# Allegro board ADRV9371-N_PCBZ_Layout_RevB.brd (continued)
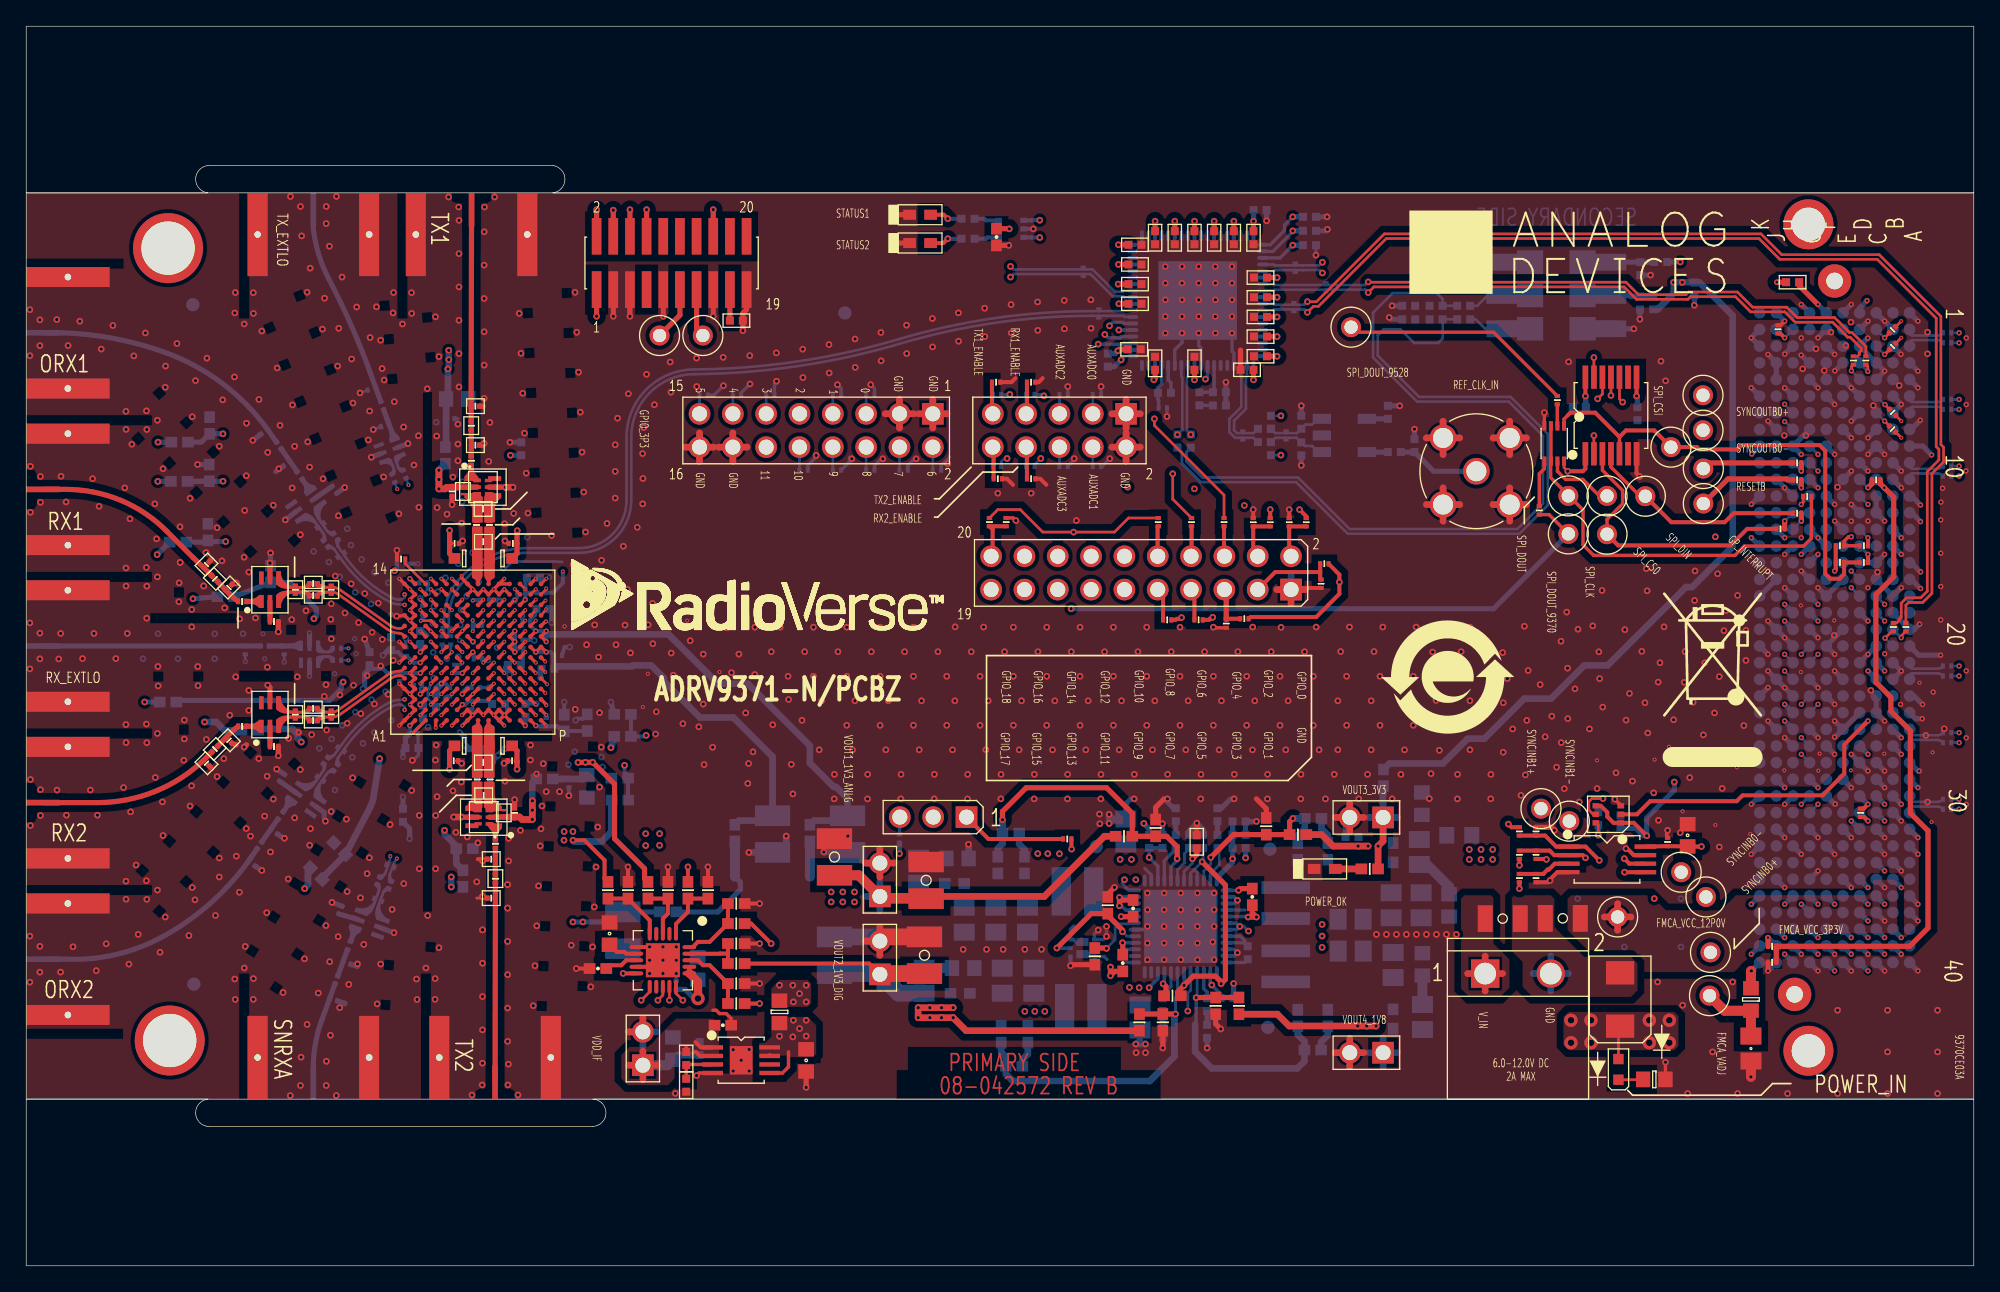
[diagram p0: board, top side]
## Routing (per net, layer and track width the routed paths; a pad name or vN(x,y) marks a point on that pad's centre or on a via; arc(x,y) is an arc through that point) (continued)
SNRXA-: length 16.3
  TOP w0.254: U101.D4 v6(30.84,43.58)
  L10_SIG w0.091: v6(30.84,43.58) 31.12,43.58 arc(31.24,43.53) 31.28,43.42 arc(31.29,43.36) 31.33,43.31 31.38,43.26 arc(31.42,43.16) 31.38,43.07 31.28,42.97 arc(31.22,42.88) 31.2,42.78 arc(31.21,42.74) 31.23,42.71 31.42,42.51 arc(31.46,42.46) 31.47,42.4 arc(31.46,42.31) 31.41,42.24 31.25,42.08 arc(31.21,42.03) 31.2,41.96 arc(31.16,41.78) 31.06,41.62 arc(30.92,41.53) 30.76,41.5 30.6,41.5 arc(30.13,41.3) 29.93,40.83 29.93,36.18 arc(29.84,35.73) 29.59,35.35 29.53,35.29 arc(29.14,34.81) 28.87,34.25 arc(28.41,32.9) 28,31.53 arc(27.91,31.35) v5(27.75,31.22)
  BOTTOM w0.203: R223.2 27.19,29.74 arc(27.3,29.82) 27.37,29.94 ; C224.2 L224.2 27.71,30.93 arc(27.74,31.07) v5(27.75,31.22)
SPI_CLK: length 112.3
  TOP w0.254: U405.3 120.14,60.64 121.68,59.1 121.68,58.09 120.48,56.9 TP802.1 ; U101.K9 v6(36.44,48.38)
  TOP w0.305: TP802.1 121.34,54.91 129.9,54.91 131.17,56.17 R804.1
  L7_SIG w0.114: v8(92.85,57.96) 93.1,58.21 100.72,58.21 104.66,54.28 119,54.28 TP802.1
  L8_SIG w0.114: v6(36.44,48.38) 36.69,48.38 37.08,47.99 41.22,47.99 41.41,48.18 46,48.18 47.19,49.37 49.84,49.37 50.68,50.21 65.67,50.21 73.42,57.96 v8(92.85,57.96)
SPI_CLK_9528: length 44.4
  TOP w0.203: v1(119.77,66.09) 120.14,66.45 U405.12
  L7_SIG w0.114: v1(119.77,66.09) 119.35,66.51 119.35,66.51 119.05,66.81 119.05,66.81 119.01,66.85 118.75,66.85 116.28,69.33 96.08,69.33 93.74,71.67 84.47,71.67 83.56,70.76 82.44,70.76 v1(82.21,70.99)
  BOTTOM w0.254: U401.22 83.47,70.83 83.38,70.74 82.46,70.74 v1(82.21,70.99)
SPI_CS0: length 120.1
  TOP w0.254: U403.7 116.71,60.56 117.33,59.94 118.65,59.94 119.9,58.69 TP813.1 ; v2(139.1,55.57) 138.89,55.57 138.55,55.23 R808.2 R811.1 ; U101.K10 v6(36.44,49.18)
  L7_SIG w0.114: TP813.1 119.34,57.54 116.88,57.54 115.13,55.8 105.67,55.8 101.86,59.61 89.42,59.61 v8(89.04,59.23)
  L8_SIG w0.114: v6(36.44,49.18) 36.84,49.58 40.01,49.58 40.52,50.08 43.11,50.08 43.27,49.93 43.61,49.93 43.9,50.21 45.2,50.21 46.85,51.86 63.89,51.86 72.27,60.24 85.35,60.24 86.37,59.23 v8(89.04,59.23)
  L8_SIG w0.254: TP813.1 122.99,56.18 138.49,56.18 v2(139.1,55.57)
SPI_CS1: length 37
  TOP w0.254: U403.1 117.21,64.54 117.48,64.82 ; 121.44,63.18 U405.5
  TOP w0.305: R812.1 R809.2 138.55,52.71 138.21,52.37 137.5,52.37 137.12,52.75 137.12,62.12 136.69,62.56 130.74,62.56 130.41,62.23 127.52,62.23 127.34,62.4 TP814.1 124.09,63.67 121.93,63.67 121.44,63.18 119.58,65.03 117.7,65.03 117.48,64.82
SPI_CS_9528: length 47
  TOP w0.203: U405.10 121.44,66.07 v1(121.68,65.83)
  L7_SIG w0.114: v1(121.68,65.83) 121.04,65.2 118.75,65.2 115.77,68.18 95.2,68.18 93.12,70.25 v1(81.7,70.25)
  BOTTOM w0.254: v1(81.7,70.25) 83.62,70.25 83.69,70.33 83.78,70.33 U401.21
SPI_DIN: length 114.3
  TOP w0.254: TP801.1 123,58.66 120.79,60.88 U405.4 ; U101.J9 v6(35.64,48.38)
  TOP w0.305: TP801.1 125.39,56.68 129.45,56.68 130.14,57.37 R805.1
  L7_SIG w0.114: v1(83.96,59.36) 84.03,59.36 85.56,60.88 87.17,60.88 87.17,60.89 87.6,60.89 87.6,60.88 96.59,60.88 96.97,60.5 102.24,60.5 106.18,56.56 113.93,56.56 117.4,60.03 122.03,60.03 TP801.1
  L8_SIG w0.114: v1(83.96,59.36) 83.91,59.4 72.96,59.4 64.65,51.1 47,51.1 45.27,49.37 40.95,49.37 40.34,48.76 36.03,48.76 v6(35.64,48.38)
SPI_DIN_9528: length 43.6
  TOP w0.203: U405.11 v1(120.79,66.34)
  L7_SIG w0.114: v1(120.79,66.34) 120.79,66.47 116.85,70.4 96.53,70.4 93.86,73.07 85.02,73.07 v1(83.28,71.33)
  BOTTOM w0.254: U401.23 83.68,71.33 v1(83.28,71.33)
SPI_DOUT: length 31.6
  TOP w0.203: 116.2,61.33 U403.6 ; TP809.1 117.59,58.69
  TOP w0.254: U403.3 116.21,61.35 116.19,61.32 116.19,60.09 118.66,57.62 118.66,54.96 119.47,54.15 130.23,54.15 130.95,54.86 135.47,54.86 136.06,55.45 136.06,55.71 136.06,55.72 R806.1
SPI_DOUT_9370: length 91.9
  TOP w0.254: R427.2 116.07,57.26 TP402.1 ; U101.J10 v6(35.64,49.18)
  L7_SIG w0.097: 39.89,46.39 39.49,46.39
  L7_SIG w0.114: v1(79.64,50.08) 79.64,49.81 77.63,47.8 77.1,47.8 75.41,46.11 48.61,46.11 48.52,46.19 45.18,46.19 44.45,46.92 43.41,46.92 42.88,46.39 39.89,46.39 ; 39.49,46.39 37.95,46.39 37.7,46.64 37.7,47.06 37.58,47.19 37.08,47.19 36.85,47.42 36.85,47.74 36.55,48.04 36.3,48.04 36.1,48.24 36.1,48.66 35.64,49.13 v6(35.64,49.18)
  BOTTOM w0.394: v1(79.64,50.08) 111.83,50.08 TP402.1
SPI_DOUT_9528: length 40.5
  TOP w0.254: TP401.1 101.36,71.17 111.83,71.17 R426.2
  L7_SIG w0.114: v1(82.56,71.65) 85.25,74.34 94.12,74.34 96.91,71.55 TP401.1
  BOTTOM w0.254: v1(82.56,71.65) 82.83,71.91 83.59,71.91 83.67,71.83 83.81,71.83 U401.24
STATUS_0: length 25.1
  L5_SIG w0.114: v1(96.53,79.96) 96.19,80.3 77.85,80.3 v1(77.25,79.7)
  BOTTOM w0.254: U401.55 94.81,77.83 95.9,78.92 95.9,79.32 v1(96.53,79.96) ; R418.1 97.17,79.96
  BOTTOM w0.305: U402.1 76.63,79.69 76.64,79.7 v1(77.25,79.7)
  BOTTOM w0.394: 97.17,79.96 v1(96.53,79.96)
STATUS_1: length 24.5
  L5_SIG w0.114: v1(96.53,78.89) 77.76,78.89 v1(77.25,78.38)
  BOTTOM w0.203: R419.1 97.17,78.89
  BOTTOM w0.254: U401.56 95.03,77.33 96.53,78.83 v1(96.53,78.89)
  BOTTOM w0.305: U402.3 76.63,78.39 76.64,78.38 v1(77.25,78.38)
  BOTTOM w0.394: 97.17,78.89 v1(96.53,78.89)
SYNCINB0+: length 150.5
  TOP w0.254: U101.M4 v6(38.04,43.58)
  L7_SIG w0.091: v6(38.04,43.58) 38.04,43.25 37.71,42.91 37.71,41.85 37.93,41.62 39.84,41.62 40.77,40.68 44.84,40.68 48.14,37.38 59.68,37.38 60.57,38.27 105.19,38.27 110.14,33.32 111.79,33.32 113.19,31.92 116.24,31.92 119.66,28.49 126.63,28.49 127.14,29 ; TP807.1 127.14,29 ; 127.14,29 127.77,29.64 132.45,29.64 136.77,33.96 137.78,33.96 139.91,36.09 139.91,39.2 141.36,40.65 141.97,40.65 143.75,42.43 143.75,60.77 143.14,61.39 137.02,61.39 v2(136.56,61.85)
  BOTTOM w0.203: P801.G9 v2(136.56,61.85)
SYNCINB0-: length 150.5
  TOP w0.254: U101.M3 v6(38.04,42.78)
  L7_SIG w0.091: v2(136.56,60.58) 136.56,60.58 136.44,60.45 135.9,60.45 135.77,60.58 135.77,61.26 135.9,61.39 136.66,61.39 136.92,61.14 143.03,61.14 143.5,60.67 143.5,42.54 141.87,40.91 141.26,40.91 139.66,39.31 139.66,36.19 137.68,34.21 136.66,34.21 132.34,29.89 127.67,29.89 127.02,29.24 ; 127.02,29.24 126.89,29.24 126.14,29.99 TP808.1 ; 127.02,29.24 126.96,29.18 126.96,29.18 126.52,28.75 119.77,28.75 116.34,32.18 113.29,32.18 111.9,33.57 110.25,33.57 105.29,38.53 60.46,38.53 59.57,37.64 48.25,37.64 44.95,40.94 40.87,40.94 40.09,41.72 40.09,42.16 39.93,42.32 38.14,42.32 38.04,42.42 v6(38.04,42.78)
  BOTTOM w0.203: P801.G10 v2(136.56,60.58)
SYNCINB1+: length 108.7
  TOP w0.254: U101.L4 v6(37.24,43.58)
  L7_SIG w0.091: v6(37.24,43.58) 37.33,43.66 37.33,43.78 37.66,44.12 37.66,44.46 37.9,44.7 38.17,44.7 38.36,44.51 38.36,44.24 38.62,43.98 39.77,43.98 40.01,43.73 44.05,43.73 46.08,41.7 48.4,41.7 49.54,40.56 105.28,40.56 108.88,36.96 109.02,36.96 111.01,34.97 113.4,34.97 114.54,33.83 115.71,33.83 116.02,34.14 ; v2(135.29,40.26) 134.79,39.75 126.42,39.75 125.79,39.12 125.02,39.12 124.82,39.32 121.19,39.32 116.02,34.14 ; TP810.1 116.02,34.28 116.02,34.14
  BOTTOM w0.203: P801.G27 v2(135.29,40.26)
SYNCINB1-: length 108.8
  TOP w0.254: U101.L3 v6(37.24,42.78)
  L7_SIG w0.091: v2(135.29,38.99) 134.79,39.5 126.53,39.5 125.9,38.86 124.91,38.86 124.71,39.06 121.3,39.06 116.84,34.6 ; 116.84,34.6 115.81,33.57 114.44,33.57 113.29,34.72 110.9,34.72 108.92,36.7 108.78,36.7 105.18,40.31 49.43,40.31 48.29,41.45 45.98,41.45 43.95,43.48 40.01,43.48 39.76,43.23 38.73,43.23 38.51,43.44 38.51,43.56 38.17,43.9 37.8,43.9 37.58,43.68 37.58,43.46 37.56,43.44 37.56,43.44 37.24,43.12 v6(37.24,42.78) ; 116.84,34.6 117.55,33.89 TP811.1
  BOTTOM w0.203: P801.G28 v2(135.29,38.99)
SYNCOUTB0+: length 115.2
  TOP w0.203: U101.M13 v6(37.24,51.58)
  L8_SIG w0.091: TP805.1 127.9,66.26 127.9,65.2 ; v6(37.24,51.58) 37.38,51.58 37.54,51.74 37.54,52.05 37.78,52.29 38.42,52.29 38.72,51.99 39.88,51.99 40.19,51.68 44.15,51.68 45.86,53.39 51.57,53.39 58.56,60.37 70.39,60.37 71.64,61.62 71.64,66.21 76.08,70.66 76.08,71.42 77.23,72.56 84.34,72.56 86.75,70.15 120.53,70.15 125.49,65.2 127.9,65.2 ; 127.9,65.2 133.55,65.2 v2(134.02,65.67)
  BOTTOM w0.203: v2(134.02,65.67) 134.02,65.66 P801.H7
SYNCOUTB0-: length 115.3
  TOP w0.203: U101.M14 v6(38.04,51.58)
  L8_SIG w0.091: 127.9,64.94 125.38,64.94 120.43,69.9 86.64,69.9 84.23,72.31 77.33,72.31 76.34,71.32 76.34,70.55 71.89,66.11 71.89,61.51 70.49,60.12 58.66,60.12 51.68,53.13 45.96,53.13 44.26,51.43 40.14,51.43 39.94,51.23 38.67,51.23 38.46,51.43 38.46,51.88 38.32,52.03 37.89,52.03 37.8,51.94 37.8,51.74 37.96,51.58 v6(38.04,51.58) ; 127.9,64.94 127.9,63.79 TP806.1 ; 127.9,64.94 133.43,64.94 v2(134.02,64.35)
  BOTTOM w0.203: P801.H8 134.06,64.35 v2(134.02,64.35)
SYSREF_IN+: length 78.5
  TOP w0.254: U101.K3 v6(36.44,42.78)
  L7_SIG w0.091: v1(75.02,75.37) 75.3,75.65 75.56,75.65 75.83,75.38 75.83,74.7 75.47,74.34 73.33,74.34 72.29,73.31 72.29,73.09 70.11,70.91 66.02,70.91 64.62,69.52 59.59,69.52 58.32,68.25 48.9,68.25 46.75,66.09 46.75,65.57 43.19,62.02 43.19,58.7 41.05,56.56 39.87,56.56 37.58,54.28 35.7,54.28 32.65,51.23 32.65,50.47 32.91,50.2 32.91,49.84 33.1,49.65 33.34,49.65 33.71,49.28 33.71,49.07 33.9,48.88 34.23,48.88 34.51,48.6 34.51,45.74 34.68,45.57 34.68,43.95 35.38,43.25 35.96,43.25 v6(36.44,42.78)
  BOTTOM w0.203: R424.2 80.57,75.6 ; 80.57,75.6 75.25,75.6 v1(75.02,75.37) ; 80.57,75.6 81.12,75.6 82.81,73.9 83.61,73.9 83.68,73.83 84.06,73.83 U401.28
SYSREF_IN-: length 78.8
  TOP w0.254: U101.K4 v6(36.44,43.58)
  L7_SIG w0.091: v6(36.44,43.58) 36.44,43.82 36.36,43.9 35.4,43.9 35.25,43.76 35.24,43.76 34.93,44.06 34.93,45.51 35.19,45.77 35.19,48.49 34.97,48.7 34.77,48.7 34.36,49.11 34.36,49.34 34.17,49.53 33.94,49.53 33.56,49.91 33.56,50.11 33.37,50.3 33.17,50.3 32.9,50.57 32.9,51.12 35.8,54.02 37.69,54.02 39.98,56.31 41.16,56.31 43.44,58.59 43.44,61.91 47,65.47 47,65.98 49.01,67.99 58.43,67.99 59.7,69.26 64.73,69.26 66.12,70.66 70.22,70.66 72.55,72.99 72.55,73.2 73.43,74.09 75.57,74.09 76.08,74.6 76.08,75.48 75.67,75.9 75.3,75.9 v1(75.02,76.18)
  BOTTOM w0.203: v1(75.02,76.18) 75.25,75.95 80.57,75.95 ; 80.57,75.95 81.27,75.95 82.96,74.26 83.58,74.26 83.66,74.33 84.12,74.33 U401.29 ; 80.57,75.95 R424.1
TEST: length 169
  TOP w0.254: U101.J6 v6(35.64,45.98)
  TOP w0.394: R504.1 R503.2 143.55,24.35 144.95,25.75 144.95,33.16 143.61,34.5 143.61,40.79 142.12,42.27 142.12,43.33 140.98,44.48 140.98,51.16 142.34,52.52 142.34,58.59 v2(141.62,59.31) 141.31,59.61 R810.1
  L7_SIG w0.114: v6(35.64,45.98) 35.97,45.64 37.47,45.64 37.73,45.89 38.44,45.89 38.7,45.64 45.73,45.64 46.87,44.5 51.55,44.5 51.68,44.63 53.22,44.63 53.86,43.99 54.49,43.99 54.5,44 76.11,44 79.44,47.32 79.8,47.32 82.56,50.08 82.56,51.97 83.34,52.75 84.21,52.75 85.13,53.67 85.13,54.55 86.26,55.67 87.64,55.67 89,57.03 100.63,57.03 104.15,53.51 121.76,53.51 127.39,59.15 133.31,59.15 133.67,58.79 141.1,58.79 v2(141.62,59.31)
TRI_STATE: length 5.4
  BOTTOM w0.394: Y401.2 Y402.2 122.22,73.96 122.29,73.9 R409.2 R408.1
TX1_ENABLE: length 58.8
  TOP w0.254: U101.M6 v6(38.04,45.18)
  TOP w0.305: P501.9 73.61,65.01 R507.1
  L5_SIG w0.114: P501.9 72.53,63.8 72.53,59.86 69.51,56.85 44.74,56.85 44.48,57.1 44.06,57.1 43.58,56.63 41.73,56.63 40.56,55.45 40.56,55.45 39.7,54.59 37.54,54.59 36.65,53.7 36.65,52.64 36.77,52.52 36.77,52.2 36.58,52 36.39,52 36.1,51.72 36.1,47.44 36.3,47.24 36.49,47.24 36.77,46.95 36.77,45.96 37.22,45.51 37.7,45.51 v6(38.04,45.18)
  BOTTOM w0.203: 73.67,66.42 P501.9
TX2_ENABLE: length 53
  TOP w0.254: U101.M8 v6(38.04,47.58)
  TOP w0.305: R506.1 73.73,62.34 P501.10
  L5_SIG w0.114: v6(38.04,47.58) 37.79,47.58 37.37,47.99 37.08,47.99 36.84,48.23 36.84,51.65 37.1,51.91 37.11,51.91 37.22,52.03 37.22,52.69 37.14,52.78 37.14,53.59 37.69,54.14 40.13,54.14 41.16,55.16 44.46,55.16 44.84,55.55 68.97,55.55 73.67,60.24 P501.10
  BOTTOM w0.203: 73.67,60.93 P501.10
TX_EXTLO+: length 12
  TOP w0.203: U101.E12 v6(32.44,49.98)
  L10_SIG w0.091: v6(32.44,49.98) arc(31.87,50.21) 31.64,50.78 arc(31.58,51.07) 31.41,51.32 31.27,51.47 arc(31.23,51.52) 31.22,51.58 arc(31.11,51.85) 30.84,51.96 30.71,51.96 arc(30.61,51.98) 30.51,52.04 arc(30.31,52.3) 30.18,52.59 arc(29.85,53.93) 29.71,55.29 arc(29.6,56.43) 29.37,57.55 arc(29.32,57.79) 29.31,58.05 arc(29.28,58.49) 29.17,58.91 arc(29.1,59.21) v5(29.14,59.52)
  BOTTOM w0.203: C336.2 v5(29.14,59.52)
TX_EXTLO-: length 11.9
  TOP w0.203: U101.E11 v6(31.64,49.98)
  L10_SIG w0.091: v6(31.64,49.98) 31.5,49.98 arc(31.42,50.01) 31.39,50.08 31.38,50.77 arc(31.38,50.77) 31.38,50.78 arc(31.34,50.97) 31.23,51.14 31.21,51.16 arc(31.16,51.19) 31.11,51.2 30.82,51.2 arc(30.59,51.3) 30.49,51.53 arc(30.46,51.69) 30.37,51.83 30.34,51.86 arc(30.1,52.16) 29.93,52.51 arc(29.6,53.88) 29.45,55.28 arc(29.35,56.39) 29.12,57.48 arc(29.07,57.77) 29.06,58.05 arc(29.01,58.58) 28.81,59.07 arc(28.57,59.25) v5(28.28,59.21)
  BOTTOM w0.203: C337.2 v5(28.28,59.21)
UNNAMED_3_CAP_I2_N1: length 2.5
  TOP w0.203: 19.87,51.71 20.5,51.71 21.15,51.71 ; 21.15,51.71 arc(21.4,51.79) C206.1 arc(21.4,51.79) 21.15,51.71 ; C204.2 L204.2
UNNAMED_3_CAP_I3_N1: length 3.7
  TOP w0.203: C204.1 L204.1 ; 21.15,51.36 20.52,51.36 19.87,51.36 20.52,51.36 21.15,51.36 ; 21.15,51.36 arc(21.4,51.28) C205.1 arc(21.4,51.28) 21.15,51.36
UNNAMED_3_CAP_I11_N1: length 15.4
  TOP w0.127: L200.2 C200.1 ; L201.2 C201.1
  TOP w0.394: J200.1 3.03,59.18 arc(7.18,58.36) 10.69,56.01 12.73,53.97 C200.1 C201.1
UNNAMED_3_CAP_I74_N2: length 2.4
  TOP w0.127: 15.31,51.56 C202.1 ; L201.1 C201.2
  TOP w0.203: C245.1 16.11,50.69
  TOP w0.394: C201.2 C202.1 15.5,51.2 arc(15.64,51.06) 15.79,50.93 arc(15.94,50.8) 16.11,50.69
UNNAMED_3_CAP_I79_N1: length 1.5
  TOP w0.394: R203.1 18.58,49.61 T200.2
UNNAMED_3_CAP_I109_N1: length 1.9
  TOP w0.203: 19.87,41.84 20.52,41.84 21.14,41.84 arc(21.4,41.76) C214.1 ; C213.1 L213.1
UNNAMED_3_CAP_I109_N2: length 1.9
  TOP w0.203: C213.2 L213.2 ; 19.87,42.2 20.5,42.2 21.14,42.2 arc(21.4,42.27) R215.1
UNNAMED_3_CAP_I115_N1: length 14.2
  TOP w0.127: 13.59,38.45 C208.1 ; C209.1 L209.2
  TOP w0.394: C209.1 C208.1 arc(9.78,36.14) 5.42,35.31 J201.1
UNNAMED_3_CAP_I115_N2: length 2.3
  TOP w0.127: L211.2 C211.1
  TOP w0.203: 16.11,41.17 C241.1 16.11,41.07
  TOP w0.394: C209.2 C211.1 15.5,40.56 arc(15.64,40.7) 15.79,40.83 arc(15.94,40.96) 16.11,41.07
UNNAMED_3_CAP_I126_N1: length 7.9
  BOTTOM w0.127: C217.1 L217.2
  BOTTOM w0.394: J202.1 21.88,15.48 arc(22.07,17.11) 22.52,18.7 C217.1 23.53,21.5
UNNAMED_3_CAP_I126_N2: length 2.3
  BOTTOM w0.127: L219.2 C219.1
  BOTTOM w0.203: 24.44,23.98 R207.1
  BOTTOM w0.394: R218.2 C219.1 24.44,23.98
UNNAMED_3_CAP_I127_N1: length 1.5
  BOTTOM w0.394: T202.2 C220.1
UNNAMED_3_CAP_I137_N1: length 1.9
  BOTTOM w0.203: C221.1 L221.1 ; 26.76,27.23 26.99,27.84 27.2,28.43 arc(27.28,28.57) 27.4,28.67 arc(27.5,28.71) 27.6,28.72
UNNAMED_3_CAP_I137_N2: length 1.9
  BOTTOM w0.203: 26.43,27.35 26.64,27.94 26.87,28.55 arc(26.88,28.81) R223.1 ; C221.2 L221.2
UNNAMED_3_CAP_I141_N1: length 1.9
  BOTTOM w0.203: 22.2,57.06 22.56,56.55 22.93,56.01 arc(23.14,55.85) C230.1 ; C229.1 L229.2
UNNAMED_3_CAP_I141_N2: length 1.9
  BOTTOM w0.203: 21.91,56.86 22.28,56.32 22.64,55.81 arc(22.72,55.56) C231.1 ; C229.2 L229.1
UNNAMED_3_CAP_I162_N1: length 20.6
  BOTTOM w0.394: J203.1 2.76,71.12 arc(6.67,70.69) 10.48,69.66 arc(14.88,67.3) C225.1 C226.1
UNNAMED_3_CAP_I162_N2: length 2.1
  BOTTOM w0.203: 20.58,60.63 R208.1
  BOTTOM w0.394: C226.2 C227.1 20.58,60.63
UNNAMED_3_CAP_I167_N1: length 1.5
  BOTTOM w0.394: 22.05,58.53 R228.1
UNNAMED_3_CAP_I173_N1: length 19.7
  BOTTOM w0.394: R234.1 17.13,31.13 ; 17.13,31.13 17.09,31.06 arc(14.05,27.65) 10.3,25.03 arc(6.82,23.72) 3.11,23.37 J204.1 ; 17.13,31.13 C233.1
UNNAMED_3_CAP_I173_N2: length 2.1
  BOTTOM w0.203: 19.11,33.96 R210.1
  BOTTOM w0.394: R234.2 C235.1 19.11,33.96
UNNAMED_3_CAP_I178_N2: length 1.5
  BOTTOM w0.394: T204.2 R236.1
UNNAMED_3_CAP_I188_N1: length 1.9
  BOTTOM w0.203: C237.1 L237.2 ; 21.91,36.69 22.27,37.21 22.64,37.74 arc(22.72,37.99) C238.1
UNNAMED_3_CAP_I188_N2: length 1.9
  BOTTOM w0.203: 22.2,36.49 22.57,37.03 22.93,37.54 arc(23.14,37.7) R239.1 ; C237.2 L237.1
UNNAMED_3_CAP_I191_N1: length 1.5
  TOP w0.394: C212.1 18.58,40.23 T201.2
UNNAMED_3_CAP_I192_N2: length 1.1
  TOP w0.203: C245.2 16.95,50.64 ; 17.42,50.64 T200.1
  TOP w0.394: 16.95,50.64 17.42,50.64 ; 17.59,50.65 17.59,50.64
UNNAMED_3_CAP_I194_N2: length 1.1
  TOP w0.203: 17.42,41.12 T201.1 ; C241.2 16.95,41.12
  TOP w0.394: 16.95,41.12 17.42,41.12
UNNAMED_3_CAP_I197_N2: length 1.1
  BOTTOM w0.127: R207.2 24.77,24.83
  BOTTOM w0.203: T202.1 24.95,25.4
  BOTTOM w0.394: 24.77,24.83 24.95,25.4
UNNAMED_3_CAP_I199_N2: length 1.1
  BOTTOM w0.127: 21.09,59.86 R208.2
  BOTTOM w0.203: T203.1 21.45,59.39
  BOTTOM w0.394: 21.45,59.39 21.09,59.86
UNNAMED_3_CAP_I201_N2: length 1.1
  BOTTOM w0.127: 19.66,34.69 R210.2
  BOTTOM w0.203: T204.1 19.98,35.19
  BOTTOM w0.394: 19.98,35.19 19.66,34.69
UNNAMED_4_CAP_I388_N1: length 0.9
  BOTTOM w0.203: 22.6,46.43 23.09,46.43 arc(23.28,46.35) C333.1
UNNAMED_4_CAP_I389_N1: length 0.9
  BOTTOM w0.203: 22.6,46.79 23.09,46.79 arc(23.28,46.87) C332.1
UNNAMED_4_CAP_I525_N1: length 2.1
  TOP w0.127: C305.2 33.92,61.82 ; L301.2 R301.1
  TOP w0.394: 33.92,61.82 C323.1 R301.1
UNNAMED_4_CAP_I526_N1: length 16.4
  TOP w0.127: L301.1 R301.2
  TOP w0.203: C324.1 33.91,65.41
  TOP w0.394: R301.2 33.91,65.41 J305.1
UNNAMED_4_CAP_I531_N1: length 15.2
  TOP w0.394: R302.2 C329.1 J306.1
UNNAMED_4_CAP_I533_N1: length 2
  TOP w0.203: 35.76,31.73 C306.2
  TOP w0.394: 35.76,31.73 C328.1 R302.1
UNNAMED_4_CAP_I561_N1: length 3.6
  BOTTOM w0.203: T307.1 20.56,47.25 C331.1
  BOTTOM w0.394: 19.36,47.24 C331.1 ; 19.36,47.24 R312.2 ; 19.36,47.24 20.56,47.25
UNNAMED_4_CAP_I563_N1: length 16.6
  BOTTOM w0.394: J307.1 C330.1 R312.1
UNNAMED_4_CAP_I601_N1: length 3.7
  BOTTOM w0.203: T308.1 27.93,63.37 C335.1
  BOTTOM w0.394: 27.51,64.54 27.93,63.37 ; 27.51,64.54 C335.1 ; 27.51,64.54 R313.2
UNNAMED_4_CAP_I603_N1: length 15.7
  BOTTOM w0.394: R313.1 C334.1 26.22,68.06 arc(24.76,71.71) 23.05,75.25 arc(22.29,77.11) 21.88,79.08 J308.1
UNNAMED_4_CAP_I696_N1: length 0.9
  BOTTOM w0.203: 28.2,61.26 28.37,60.81 arc(28.51,60.65) 28.73,60.64
UNNAMED_4_CAP_I697_N1: length 0.9
  BOTTOM w0.203: 27.87,61.14 28.03,60.69 arc(28.03,60.47) C337.1
UNNAMED_5_CAP_I803_N2: length 1
  BOTTOM w0.254: R415.1 89.85,65.59 89.86,65.58 C411.2
UNNAMED_5_CAP_I905_N1: length 6.4
  BOTTOM w0.394: J401.1 107.27,60.57 R401.2 105.81,62.02 C401.1
UNNAMED_5_CAP_I905_N2: length 1.6
  BOTTOM w0.394: T401.4 C401.2
UNNAMED_5_CAP_I916_N1: length 63
  BOTTOM w0.203: C408.1 88.76,62.37 88.43,62.04 88.43,61.31 89.65,60.09 96.93,60.09 100.87,56.16 113.65,56.16 115.6,58.11 115.6,63.27 113,65.87 106.01,65.87 102.65,69.23 102.65,72.66 104.14,74.14 107.51,74.14 107.96,73.69 R413.1 R411.2
UNNAMED_5_CMOSNC7WV125K8X_I90_1: length 3.6
  TOP w0.203: 115.71,61.09 U403.5
  TOP w0.254: R427.1 115.33,60.37 115.71,60.76 115.71,61.09
UNNAMED_5_CMOSNC7WV125K8X_I90_A: length 1.7
  TOP w0.254: R426.1 116.7,64.05 116.71,64.03 U403.2
UNNAMED_5_DIOLED_I865_P: length 2.5
  TOP w0.305: D401.A 69.91,77.96 v1(70.24,78.29)
  BOTTOM w0.305: R420.2 v1(70.24,78.29)
UNNAMED_5_DIOLED_I866_P: length 2.5
  TOP w0.305: v1(70.24,79.82) 69.94,80.12 D402.A
  BOTTOM w0.305: v1(70.24,79.82) R421.2
UNNAMED_5_NC7WZ17P6X_I868_Y1: length 1.9
  BOTTOM w0.305: U402.6 73.14,79.69 73.01,79.82 R421.1
UNNAMED_5_NC7WZ17P6X_I868_Y2: length 1.9
  BOTTOM w0.305: U402.4 73.24,78.39 73.14,78.29 R420.1
UNNAMED_5_RES_I897_N2: length 63
  BOTTOM w0.203: R410.2 R412.2 107.96,70.68 107.62,70.35 105.78,70.35 104.75,71.37 103.45,71.37 103.01,70.93 103.01,69.38 106.16,66.23 113.14,66.23 115.96,63.41 115.96,57.96 113.8,55.8 100.72,55.8 96.78,59.74 89.5,59.74 88.07,61.16 88.07,62.04 87.74,62.37 R414.1
UNNAMED_5_RES_I907_N2: length 1.6
  BOTTOM w0.394: T401.5 R402.2
UNNAMED_6_AD9370V2_I826_DEVCL_1: length 1.2
  TOP w0.203: U101.E7 v5(32.44,46.78)
  BOTTOM w0.203: C502.2 32.34,47 arc(32.37,46.88) v5(32.44,46.78)
UNNAMED_6_AD9370V2_I826_DEVCLKI: length 1.2
  TOP w0.203: U101.E8 v5(31.64,46.78)
  BOTTOM w0.203: C501.2 31.71,46.95 arc(31.69,46.86) v5(31.64,46.78)
UNNAMED_6_AD9370V2_I826_RBIAS: length 2.5
  TOP w0.203: R505.2 28.89,53.52 U101.C14
UNNAMED_6_AD9370V2_I832_SERDI_1: length 113.1
  TOP w0.203: U101.P11 v6(39.62,50.05)
  L5_SIG w0.091: v6(39.62,50.05) arc(39.88,50.23) 40.19,50.29 40.55,50.29 arc(42.45,49.95) 44.12,48.97 arc(50.63,45.15) 58.08,43.88 110.04,43.88 arc(116.17,43) 121.8,40.45 arc(127.49,37.86) 133.67,36.94 141.44,36.94 arc(142.94,37.32) 144.08,38.37 144.49,38.99 arc(145.48,39.85) 146.77,40.07 arc(147.05,40.01) v2(147.32,39.88)
  BOTTOM w0.203: C507.2 v2(147.32,39.88)
UNNAMED_6_AD9370V2_I832_SERDI_2: length 117
  TOP w0.203: U101.P13 39.63,51.57 v6(39.63,51.64) ; 142.47,70.3 v6(142.91,70.74)
  L10_SIG w0.091: v6(142.91,70.74) arc(142.75,71.1) 142.38,71.25 140.39,71.25 arc(138.93,70.99) 137.69,70.17 arc(136.28,68.13) 135.54,65.76 arc(134.51,61.89) 132.63,58.34 arc(129.4,54.97) 125.23,52.86 arc(122.37,51.71) 119.71,50.15 arc(115.87,48.26) 111.63,47.62 55.41,47.62 arc(50.9,48.26) 46.72,50.08 arc(43.69,51.39) 40.42,51.83 40,51.83 arc(39.79,51.78) v6(39.63,51.64)
UNNAMED_6_AD9370V2_I832_SERDI_3: length 115.5
  TOP w0.203: v6(38.84,49.18) U101.N10
  L5_SIG w0.091: v2(147.32,34.8) arc(147.19,34.98) 146.98,35.05 146.51,35.05 arc(145.9,34.96) 145.37,34.64 arc(144.56,33.88) 143.82,33.05 arc(142.74,32.19) 141.39,31.89 133.34,31.89 arc(131.1,32.09) 128.93,32.69 arc(124.24,34.76) 119.79,37.29 arc(115.12,39.41) 110.04,40.14 60.44,40.14 arc(50.8,42.18) 42.9,48.06 arc(41.52,49.08) 39.84,49.45 39.15,49.45 arc(38.94,49.37) v6(38.84,49.18)
  BOTTOM w0.203: C511.2 v2(147.32,34.8)
UNNAMED_6_AD9370V2_I832_SERDI_4: length 114.3
  TOP w0.203: v6(38.84,51.58) U101.N13
  L5_SIG w0.091: v6(38.84,51.58) arc(39.01,51.38) 39.26,51.3 40.83,51.3 arc(44.29,50.92) 47.56,49.75 arc(51.44,48.34) 55.54,47.87 110.04,47.87 arc(117.28,46.83) 123.95,43.81 arc(127.2,41.96) 130.62,40.42 arc(132.37,39.93) 134.18,39.76 138.19,39.76 arc(140.84,40.37) 142.97,42.06 144.77,44.3 145.2,44.84 arc(145.78,45.29) 146.49,45.45 146.87,45.45 arc(147.13,45.52) v2(147.32,45.72)
  BOTTOM w0.203: C514.2 v2(147.32,45.72)
UNNAMED_6_AD9370V2_I832_SERDIN0: length 113
  TOP w0.203: U101.P12 v6(39.58,50.71)
  L5_SIG w0.091: v6(39.58,50.71) arc(39.87,50.59) 40.19,50.55 40.55,50.55 arc(42.54,50.19) 44.28,49.16 arc(50.72,45.39) 58.08,44.13 110.04,44.13 arc(116.24,43.25) 121.94,40.66 arc(127.56,38.1) 133.67,37.2 141.44,37.2 arc(142.82,37.55) 143.87,38.51 144.28,39.13 arc(145.37,40.08) 146.79,40.32 arc(147.11,40.39) v2(147.32,40.64)
  BOTTOM w0.203: C508.2 v2(147.32,40.64)
UNNAMED_6_AD9370V2_I832_SERDIN1: length 117.1
  TOP w0.203: v6(39.64,52.38) U101.P14 ; 142.47,71.57 v6(142.91,72.01)
  L10_SIG w0.091: v6(39.64,52.38) arc(39.77,52.17) 40,52.09 40.42,52.09 arc(43.76,51.63) 46.85,50.29 arc(50.97,48.51) 55.41,47.87 111.63,47.87 arc(115.79,48.51) 119.56,50.36 arc(122.26,51.94) 125.16,53.1 arc(129.25,55.18) 132.42,58.48 arc(134.27,61.98) 135.29,65.8 arc(136.05,68.24) 137.5,70.35 arc(138.83,71.22) 140.4,71.5 142.39,71.5 arc(142.75,71.65) v6(142.91,72.01)
UNNAMED_6_AD9370V2_I832_SERDIN2: length 115.5
  TOP w0.203: v6(38.84,49.98) U101.N11
  L5_SIG w0.091: v2(147.32,35.56) arc(147.19,35.38) 146.98,35.31 146.52,35.31 arc(145.82,35.19) 145.2,34.84 arc(144.38,34.06) 143.62,33.21 arc(142.63,32.42) 141.39,32.14 133.34,32.14 arc(131.14,32.34) 129.02,32.93 arc(124.36,34.99) 119.93,37.51 arc(115.19,39.66) 110.04,40.39 60.44,40.39 arc(50.91,42.41) 43.09,48.22 arc(41.62,49.32) 39.84,49.7 39.15,49.7 arc(38.94,49.78) v6(38.84,49.98)
  BOTTOM w0.203: C512.2 v2(147.32,35.56)
UNNAMED_6_AD9370V2_I832_SERDIN3: length 114.3
  TOP w0.203: v6(38.84,50.78) U101.N12
  L5_SIG w0.091: v2(147.32,44.96) arc(147.2,45.13) 147,45.19 146.86,45.19 146.49,45.19 arc(145.89,45.06) 145.4,44.68 144.96,44.14 143.17,41.9 arc(140.95,40.14) 138.19,39.51 134.18,39.51 arc(132.32,39.68) 130.53,40.19 arc(127.09,41.73) 123.81,43.6 arc(117.21,46.59) 110.04,47.62 55.54,47.62 arc(51.38,48.1) 47.45,49.52 arc(44.23,50.67) 40.83,51.05 39.26,51.05 arc(39.01,50.97) v6(38.84,50.78)
  BOTTOM w0.203: C513.2 v2(147.32,44.96)
UNNAMED_6_AD9370V2_I832_SERDO_1: length 123.3
  TOP w0.203: U101.P6 v6(39.56,45.25)
  L10_SIG w0.091: v6(39.56,45.25) arc(39.77,45.45) 40.05,45.53 40.28,45.53 arc(45.36,45.58) 50.43,45.73 arc(52.96,45.79) 55.49,45.75 111.63,45.75 arc(116.12,46.39) 120.25,48.26 arc(126.72,51.2) 133.77,52.22 135.45,52.22 arc(136.81,52.78) 137.38,54.15 137.38,61.79 arc(138.07,64.18) 139.95,65.82 arc(141.81,67.04) 143.25,68.74 arc(144.73,70.12) 146.69,70.6 146.98,70.6 146.99,70.6 arc(147.2,70.54) v2(147.32,70.36)
  BOTTOM w0.203: C515.2 v2(147.32,70.36)
UNNAMED_6_AD9370V2_I832_SERDO_2: length 127
  TOP w0.203: U101.P4 v6(39.56,43.65)
  L10_SIG w0.091: v6(39.56,43.65) arc(39.75,43.78) 39.98,43.83 41.05,43.83 arc(47.34,43.06) 53.25,40.81 arc(58.18,38.92) 63.41,38.27 111.63,38.27 arc(120.75,40.08) 128.49,45.25 arc(130.72,46.71) 133.35,47.16 139.16,47.16 140.9,47.54 141.22,47.86 141.22,48.03 141.49,48.3 141.86,48.3 141.95,48.21 142.25,48.21 143.07,48.97 143.14,49.05 arc(143.14,49.06) 143.15,49.08 arc(143.67,50.21) 143.84,51.45 143.84,59.14 arc(144.51,62.49) 146.42,65.31 146.42,65.31 146.48,65.38 arc(146.7,65.52) 146.95,65.57 146.96,65.57 arc(147.2,65.49) v2(147.32,65.28)